# Altium PCB Slave.PcbDoc (part 10 of 11)
Units mm, origin at the board's own origin, x right, y up, seen from the top; angles counter-clockwise.
Board outline 380 x 63 mm, 4 copper layers (Top Copper, Signal Layer 1, Signal Layer 2, Bottom Copper), stack 1.586 mm thick; 256 components, 191 nets, 731 pads, 24161 vias.
Unrouted connection lines stored in the file: 14.
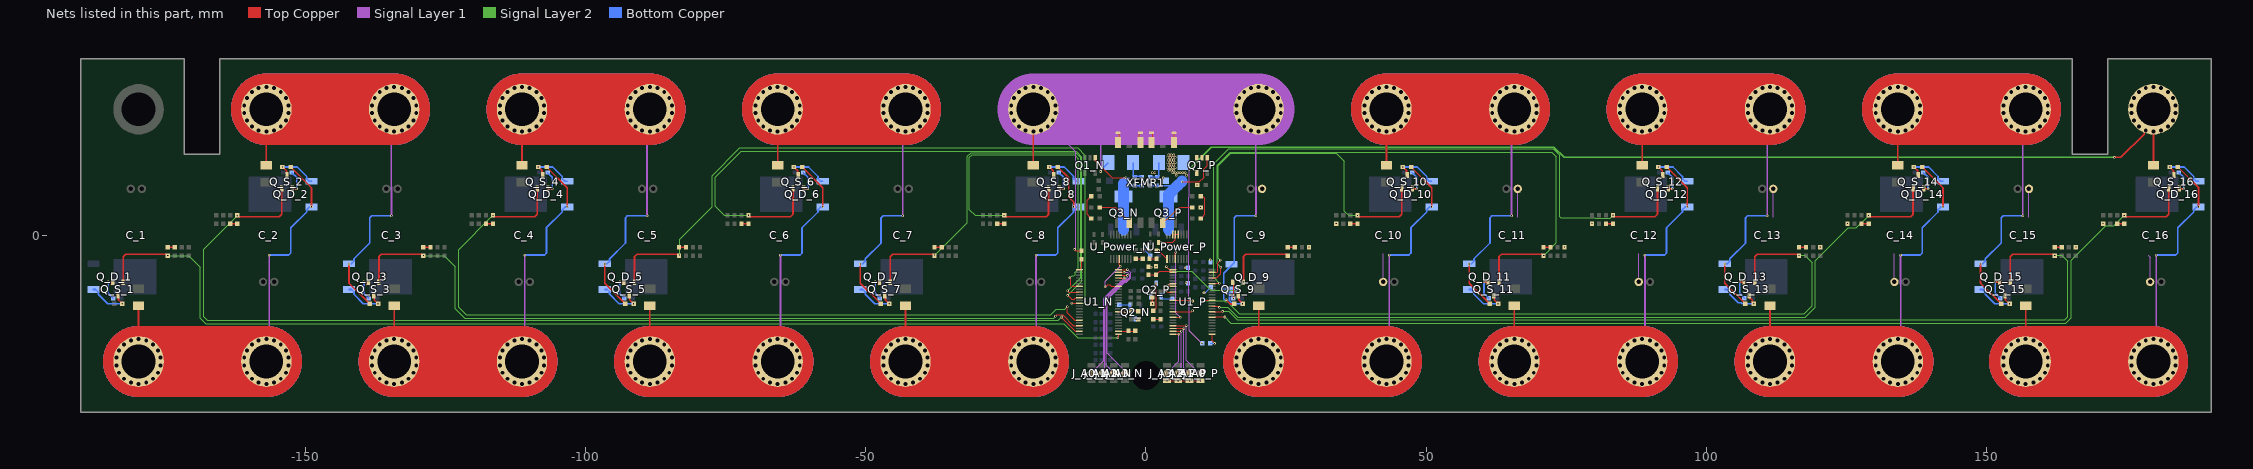
[diagram p12: the nets of this part, all layers, seen from the top]

## Via types
v1: diameter 0.45, hole 0.297, Top Copper to Bottom Copper, tented both sides, 23326 vias
v2: diameter 1, hole 0.7, Top Copper to Bottom Copper, 576 vias
v3: diameter 0.45, hole 0.2, Top Copper to Bottom Copper, 259 vias

## Nets (pads, with @x,y where several pads share a name; then routed paths per layer and width w, separated by ;. In a path a pad name is that pad's centre, name@x,y a point inside that pad or via, vN(x,y) a via of type N, cw(c..) or ccw(c..) an arc to the next point about the centre after c; other vN are vias at no path point) (continued)
NEG1_C2: C1_P.2 C_5V_AO_P.2 C_8.+ C_9.- C_9.T- C_10.T- C_11.T- C_12.T- C_13.T- C_14.T- C_15.T- C_16.T- C_CT_P.2 C_Temp1_P.1 C_Temp2_P.1 C_Temp3_P.1 C_Temp4_P.1 C_V1_P.1 C_V_9.1 C_V_10.1 C_V_11.1 C_V_12.1 C_V_13.1 C_V_14.1 C_V_15.1 C_V_16.1 C_VREF1_P.1 C_VREF2_P.1 C_VREG1_P.1 C_VREG2_P.1 D1_N.K F_V_8.1 J_A0_P.1 J_A1_P.1 J_A2_P.1 J_A3_P.1 Q1_P.2 Q1_P.3 Q1_P.4 Q2_P.2 Q_D_9.3 R3_P.1 R_5V_P.1 R_Input1_P.2 R_Input2_N.2 R_TUNE_9.1 U1_P.30 U1_P.31 U1_P.36 U1_P.40 U_Power_P.1 U_Power_P.12 U_Power_P.13 U_Power_P.14 | length 190.6
  Top Copper w0.102: v3(-12.75,-2.5) -12.5,-2.75 R_Input2_N.2@-11.5,-2.75 ; R_5V_P.1@1.889,-2.693 1.989,-2.792 2.357,-2.792 3.516,-3.952 3.66,-3.952 3.749,-4.041 U_Power_P.1@3.749,-4.184 ; R3_P.1@2.25,-1.25 2.27,-1.23 v3(2.667,-1.23) 4.73,-1.23 4.75,-1.25 5.2,-0.8 5.2,0.135 U_Power_P.13@5.25,0.184 ; v3(3.75,-25.95) v3(5.75,-25.95) v3(7.75,-25.95) v3(9.75,-25.95) ; U_Power_P.14@4.749,0.184 U_Power_P.13@5.25,0.184 ; U1_P.40@4.8,-13.6 8.15,-13.6 v3(8.3,-13.45) ; U1_P.36@4.8,-11.6 8.106,-11.6 8.206,-11.7 v3(8.3,-11.7) ; U1_P.31@4.8,-9.1 4.34,-9.1 4.272,-9.031 4.272,-8.98 4.192,-8.9 v3(3.85,-8.9) 4.13,-8.62 4.78,-8.62 U1_P.30@4.8,-8.6 ; U_Power_P.12@5.75,0.184 U_Power_P.13@5.25,0.184 ; v3(9.1,8.988) 9.138,8.988 C_5V_AO_P.2@9.15,9
  Top Copper w0.254: v3(1.15,-12.2) C_VREF1_P.1@1.15,-11.1
  Top Copper w0.305: F_V_8.1@-20.1,12.8 v2(-20.1,18.5) ; v3(14.275,-11.455) 15.047,-12.228 15.331,-12.228 15.514,-12.411 R_TUNE_9.1@15.725,-12.2
  Signal Layer 1 w0.102: v2@-17.282,19.682 -12.523,14.923 -12.523,-2.273 v3(-12.75,-2.5) ; 19.701,4.728 19.701,9.778 ; C_10.T-@42.3,-8.3 42.3,-3.251 ; 66.3,3.251 C_11.T-@66.3,8.3 ; C_12.T-@87.9,-8.3 87.9,-3.251 ; 111.9,3.251 C_13.T-@111.9,8.3 ; C_14.T-@133.5,-8.3 133.5,-3.251 ; 157.5,3.251 C_15.T-@157.5,8.3 ; 178.772,-3.556 179.1,-3.884 C_16.T-@179.1,-8.3
  Signal Layer 1 w0.254: v3(-8.1,11.4) -8.1,22.4
  Signal Layer 1 w0.305: v3(19.6,3.5) 19.604,3.504 19.604,8.674 19.6,8.678 19.6,18
  Signal Layer 1 w12.7: C_8.+@-20.1,22.5 C_9.-@20.1,22.5
  Bottom Copper w0.102: 0.675,-1.25 0.675,-1.408 0.076,-2.007 0.076,-2.925 0.401,-3.25 0.401,-3.275 0.725,-3.599 C_VREG1_P.1@0.75,-3.599 ; v3(6.985,-5.802) 7.448,-5.802 C_Temp1_P.1@7.5,-5.75 ; v3(7.163,-8.409) 7.254,-8.5 C_Temp2_P.1@7.5,-8.5 ; v3(9.75,5) 9.788,5 v3@9.8,5.012 ; v3(10.347,-10.262) 10.529,-10.262 11.182,-9.608 11.207,-9.608 11.532,-9.284 C_Temp4_P.1@11.532,-9.259
  Bottom Copper w0.254: v3(-8.1,11.4) -8.1,11.61 D1_N.K@-6.71,13
  Bottom Copper w0.305: v3(14.275,-11.455) 13.992,-11.455 13.868,-11.332 13.868,-6.782 15.747,-4.903 15.747,3.146 16.101,3.5 v3(19.6,3.5)
  other v1: 5.424,10.75 7.224,10.75 1.149,11.2 1.599,11.2 4.749,11.2 5.199,11.2 5.649,11.2 6.099,11.2 6.549,11.2 6.999,11.2 4.074,11.65 4.524,11.65 4.974,11.65 3.849,12.1 4.299,12.1 4.749,12.1 5.199,12.1 4.074,12.55 4.524,12.55 4.974,12.55 3.849,13 4.299,13 4.749,13 5.199,13 4.074,13.45 4.524,13.45 4.974,13.45 3.849,13.9 4.299,13.9 4.749,13.9 5.199,13.9 4.074,14.35 4.524,14.35 4.974,14.35
  other v2: 20.1,18.5 -21.468,18.741 -18.732,18.741 18.732,18.741 21.468,18.741 -22.671,19.436 -17.529,19.436 17.529,19.436 22.671,19.436 -23.564,20.5 -16.636,20.5 16.636,20.5 23.564,20.5 -24.039,21.805 -16.161,21.805 16.161,21.805 24.039,21.805 -24.039,23.195 -16.161,23.195 16.161,23.195 24.039,23.195 -23.564,24.5 -16.636,24.5 16.636,24.5 23.564,24.5 -22.671,25.564 -17.529,25.564 17.529,25.564 22.671,25.564 -21.468,26.259 -18.732,26.259 18.732,26.259 21.468,26.259 -20.1,26.5 20.1,26.5
  other v3: 0.9,-9.85 0.9,-5.675 1.81,-5.54 11.481,-4.354 2.261,-2.667 29.075,-2.1 74.675,-2.1 120.275,-2.1 165.875,-2.1 33.925,2.1 79.525,2.1 125.125,2.1 170.725,2.1 3.099,10.253
NEG2_C1: C_1.+ C_2.- F_V_1.1 Q_D_2.3 R_TUNE_2.1 | length 142.8
  Top Copper w0.305: C_1.+@-179.7,-22.5 F_V_1.1@-179.7,-12.675 ; R_TUNE_2.1@-152.525,12.2 -148.85,8.525 v3(-148.85,5.1)
  Top Copper w12.7: C_1.+@-179.7,-22.5 C_2.-@-156.9,-22.5
  Signal Layer 1 w0.102: C_2.-@-156.9,-22.5 C_2.-@-156.425,-22.025
  Signal Layer 1 w0.305: C_2.-@-156.425,-22.025 -156.4,-22 -156.4,-8.678 -156.404,-8.674 -156.404,-3.504 v3(-156.4,-3.5)
  Signal Layer 1 w12.7: C_1.+@-179.7,-22.5 C_2.-@-156.9,-22.5
  Signal Layer 2 w12.7: C_1.+@-179.7,-22.5 C_2.-@-156.9,-22.5
  Bottom Copper w0.305: v3(-156.4,-3.5) -152.902,-3.5 -152.548,-3.146 -152.548,1.352 -149.718,4.182 -149.718,4.602 -149.271,5.05 Q_D_2.3@-148.85,5.05
  Bottom Copper w12.7: C_1.+@-179.7,-22.5 C_2.-@-156.9,-22.5
  other v2: -179.7,-26.5 -156.9,-26.5 -181.068,-26.259 -178.332,-26.259 -158.268,-26.259 -155.532,-26.259 -182.271,-25.564 -177.129,-25.564 -159.471,-25.564 -154.329,-25.564 -183.164,-24.5 -176.236,-24.5 -160.364,-24.5 -153.436,-24.5 -183.639,-23.195 -175.761,-23.195 -160.839,-23.195 -152.961,-23.195 -183.639,-21.805 -175.761,-21.805 -160.839,-21.805 -152.961,-21.805 -183.164,-20.5 -176.236,-20.5 -160.364,-20.5 -153.436,-20.5 -182.271,-19.436 -177.129,-19.436 -159.471,-19.436 -154.329,-19.436 -181.068,-18.741 -178.332,-18.741 -158.268,-18.741 -155.532,-18.741 -179.7,-18.5 -156.9,-18.5
NEG2_C2: C_9.+ C_10.- F_V_9.1 Q_D_10.3 R_TUNE_10.1 | length 145.8
  Top Copper w0.102: C_10.-@41.4,-21 C_10.-@42.9,-22.5
  Top Copper w0.305: C_9.+@18.864,-21.535 18.864,-17.535 18.864,-17.035 ; C_9.+@19.863,-18.512 19.863,-17.306 ; 20.1,-16.794 F_V_9.1@20.1,-12.545 ; R_TUNE_10.1@47.275,12.2 50.95,8.525 v3(50.95,5.1)
  Top Copper w12.7: C_9.+@20.1,-22.5 C_10.-@42.9,-22.5
  Signal Layer 1 w0.102: C_10.-@42.9,-22.5 43.375,-22.025 C_10.-@42.9,-22.5
  Signal Layer 1 w0.305: v3(43.4,-3.5) 43.396,-3.504 43.396,-8.674 43.4,-8.678 43.4,-18 C_10.-@43.4,-22 ; C_10.-@43.4,-22 43.375,-22.025 C_10.-@43.4,-22
  Signal Layer 1 w12.7: C_9.+@20.1,-22.5 C_10.-@42.9,-22.5
  Signal Layer 2 w12.7: C_9.+@20.1,-22.5 C_10.-@42.9,-22.5
  Bottom Copper w0.305: v3(43.4,-3.5) 46.898,-3.5 47.252,-3.146 47.252,1.352 50.082,4.182 50.082,4.602 50.529,5.05 Q_D_10.3@50.95,5.05
  Bottom Copper w12.7: C_9.+@20.1,-22.5 C_10.-@42.9,-22.5
  other v2: 20.1,-26.5 42.9,-26.5 18.732,-26.259 21.468,-26.259 41.532,-26.259 44.268,-26.259 17.529,-25.564 22.671,-25.564 40.329,-25.564 45.471,-25.564 16.636,-24.5 23.564,-24.5 39.436,-24.5 46.364,-24.5 16.161,-23.195 24.039,-23.195 38.961,-23.195 46.839,-23.195 16.161,-21.805 24.039,-21.805 38.961,-21.805 46.839,-21.805 16.636,-20.5 23.564,-20.5 39.436,-20.5 46.364,-20.5 17.529,-19.436 22.671,-19.436 40.329,-19.436 45.471,-19.436 18.732,-18.741 21.468,-18.741 41.532,-18.741 44.268,-18.741 20.1,-18.5 42.9,-18.5
NEG3_C1: C_2.+ C_3.- F_V_2.1 Q_D_3.3 R_TUNE_3.1 | length 145.8
  Top Copper w0.102: C_3.-@-134.1,22.5 C_3.-@-132.6,21
  Top Copper w0.305: F_V_2.1@-156.9,12.545 C_2.+@-156.9,22.5 ; v3(-142.15,-5.1) -142.15,-8.525 R_TUNE_3.1@-138.475,-12.2
  Top Copper w12.7: C_2.+@-156.9,22.5 C_3.-@-134.1,22.5
  Signal Layer 1 w0.102: C_3.-@-134.575,22.025 C_3.-@-134.1,22.5 C_3.-@-133.625,22.975
  Signal Layer 1 w0.305: v3(-134.6,3.5) -134.596,3.504 -134.596,8.674 -134.6,8.678 -134.6,22 C_3.-@-134.575,22.025 ; C_3.-@-133.625,22.975 C_3.-@-133.6,23
  Signal Layer 1 w12.7: C_2.+@-156.9,22.5 C_3.-@-134.1,22.5
  Signal Layer 2 w12.7: C_2.+@-156.9,22.5 C_3.-@-134.1,22.5
  Bottom Copper w0.305: Q_D_3.3@-142.15,-5.05 -141.729,-5.05 -141.282,-4.602 -141.282,-4.182 -138.452,-1.352 -138.452,3.146 -138.098,3.5 v3(-134.6,3.5)
  Bottom Copper w12.7: C_2.+@-156.9,22.5 C_3.-@-134.1,22.5
  other v2: -156.9,18.5 -134.1,18.5 -158.268,18.741 -155.532,18.741 -135.468,18.741 -132.732,18.741 -159.471,19.436 -154.329,19.436 -136.671,19.436 -131.529,19.436 -160.364,20.5 -153.436,20.5 -137.564,20.5 -130.636,20.5 -160.839,21.805 -152.961,21.805 -138.039,21.805 -130.161,21.805 -160.839,23.195 -152.961,23.195 -138.039,23.195 -130.161,23.195 -160.364,24.5 -153.436,24.5 -137.564,24.5 -130.636,24.5 -159.471,25.564 -154.329,25.564 -136.671,25.564 -131.529,25.564 -158.268,26.259 -155.532,26.259 -135.468,26.259 -132.732,26.259 -156.9,26.5 -134.1,26.5
NEG3_C2: C_10.+ C_11.- F_V_10.1 Q_D_11.3 R_TUNE_11.1 | length 143.7
  Top Copper w0.305: F_V_10.1@42.9,12.545 C_10.+@42.9,22.5 ; v3(57.65,-5.1) 57.65,-8.525 R_TUNE_11.1@61.325,-12.2
  Top Copper w12.7: C_10.+@42.9,22.5 C_11.-@65.7,22.5
  Signal Layer 1 w0.102: C_11.-@65.225,22.025 C_11.-@65.7,22.5 C_11.-@66.175,22.975
  Signal Layer 1 w0.305: v3(65.2,3.5) 65.204,3.504 65.204,8.674 65.2,8.678 65.2,22 C_11.-@65.225,22.025 ; C_11.-@66.175,22.975 C_11.-@66.2,23
  Signal Layer 1 w12.7: C_10.+@42.9,22.5 C_11.-@65.7,22.5
  Signal Layer 2 w12.7: C_10.+@42.9,22.5 C_11.-@65.7,22.5
  Bottom Copper w0.305: Q_D_11.3@57.65,-5.05 58.071,-5.05 58.518,-4.602 58.518,-4.182 61.348,-1.352 61.348,3.146 61.702,3.5 v3(65.2,3.5)
  Bottom Copper w12.7: C_10.+@42.9,22.5 C_11.-@65.7,22.5
  other v2: 42.9,18.5 65.7,18.5 41.532,18.741 44.268,18.741 64.332,18.741 67.068,18.741 40.329,19.436 45.471,19.436 63.129,19.436 68.271,19.436 39.436,20.5 46.364,20.5 62.236,20.5 69.164,20.5 38.961,21.805 46.839,21.805 61.761,21.805 69.639,21.805 38.961,23.195 46.839,23.195 61.761,23.195 69.639,23.195 39.436,24.5 46.364,24.5 62.236,24.5 69.164,24.5 40.329,25.564 45.471,25.564 63.129,25.564 68.271,25.564 41.532,26.259 44.268,26.259 64.332,26.259 67.068,26.259 42.9,26.5 65.7,26.5
NEG4_C1: C_3.+ C_4.- F_V_3.1 Q_D_4.3 R_TUNE_4.1 | length 143.7
  Top Copper w0.305: C_3.+@-134.1,-22.5 F_V_3.1@-134.1,-12.545 ; R_TUNE_4.1@-106.925,12.2 -103.25,8.525 v3(-103.25,5.1)
  Top Copper w12.7: C_3.+@-134.1,-22.5 C_4.-@-111.3,-22.5
  Signal Layer 1 w0.102: C_4.-@-111.3,-22.5 -110.825,-22.025 C_4.-@-111.3,-22.5
  Signal Layer 1 w0.305: v3(-110.8,-3.5) -110.804,-3.504 -110.804,-8.674 -110.8,-8.678 C_4.-@-110.8,-22 ; C_4.-@-110.8,-22 -110.825,-22.025 C_4.-@-110.8,-22
  Signal Layer 1 w12.7: C_3.+@-134.1,-22.5 C_4.-@-111.3,-22.5
  Signal Layer 2 w12.7: C_3.+@-134.1,-22.5 C_4.-@-111.3,-22.5
  Bottom Copper w0.305: v3(-110.8,-3.5) -107.302,-3.5 -106.948,-3.146 -106.948,1.352 -104.118,4.182 -104.118,4.602 -103.671,5.05 Q_D_4.3@-103.25,5.05
  Bottom Copper w12.7: C_3.+@-134.1,-22.5 C_4.-@-111.3,-22.5
  other v2: -134.1,-26.5 -111.3,-26.5 -135.468,-26.259 -132.732,-26.259 -112.668,-26.259 -109.932,-26.259 -136.671,-25.564 -131.529,-25.564 -113.871,-25.564 -108.729,-25.564 -137.564,-24.5 -130.636,-24.5 -114.764,-24.5 -107.836,-24.5 -138.039,-23.195 -130.161,-23.195 -115.239,-23.195 -107.361,-23.195 -138.039,-21.805 -130.161,-21.805 -115.239,-21.805 -107.361,-21.805 -137.564,-20.5 -130.636,-20.5 -114.764,-20.5 -107.836,-20.5 -136.671,-19.436 -131.529,-19.436 -113.871,-19.436 -108.729,-19.436 -135.468,-18.741 -132.732,-18.741 -112.668,-18.741 -109.932,-18.741 -134.1,-18.5 -111.3,-18.5
NEG4_C2: C_11.+ C_12.- F_V_11.1 Q_D_12.3 R_TUNE_12.1 | length 145.8
  Top Copper w0.102: C_12.-@87,-21 C_12.-@88.5,-22.5
  Top Copper w0.305: C_11.+@65.7,-22.5 F_V_11.1@65.7,-12.545 ; R_TUNE_12.1@92.875,12.2 96.55,8.525 v3(96.55,5.1)
  Top Copper w12.7: C_11.+@65.7,-22.5 C_12.-@88.5,-22.5
  Signal Layer 1 w0.102: C_12.-@88.5,-22.5 88.975,-22.025 C_12.-@88.5,-22.5
  Signal Layer 1 w0.305: v3(89,-3.5) 88.996,-3.504 88.996,-8.674 89,-8.678 C_12.-@89,-22 ; C_12.-@89,-22 88.975,-22.025 C_12.-@89,-22
  Signal Layer 1 w12.7: C_11.+@65.7,-22.5 C_12.-@88.5,-22.5
  Signal Layer 2 w12.7: C_11.+@65.7,-22.5 C_12.-@88.5,-22.5
  Bottom Copper w0.305: v3(89,-3.5) 92.498,-3.5 92.852,-3.146 92.852,1.352 95.682,4.182 95.682,4.602 96.129,5.05 Q_D_12.3@96.55,5.05
  Bottom Copper w12.7: C_11.+@65.7,-22.5 C_12.-@88.5,-22.5
  other v2: 65.7,-26.5 88.5,-26.5 64.332,-26.259 67.068,-26.259 87.132,-26.259 89.868,-26.259 63.129,-25.564 68.271,-25.564 85.929,-25.564 91.071,-25.564 62.236,-24.5 69.164,-24.5 85.036,-24.5 91.964,-24.5 61.761,-23.195 69.639,-23.195 84.561,-23.195 92.439,-23.195 61.761,-21.805 69.639,-21.805 84.561,-21.805 92.439,-21.805 62.236,-20.5 69.164,-20.5 85.036,-20.5 91.964,-20.5 63.129,-19.436 68.271,-19.436 85.929,-19.436 91.071,-19.436 64.332,-18.741 67.068,-18.741 87.132,-18.741 89.868,-18.741 65.7,-18.5 88.5,-18.5
NEG5_C1: C_4.+ C_5.- F_V_4.1 Q_D_5.3 R_TUNE_5.1 | length 145.8
  Top Copper w0.102: C_5.-@-88.5,22.5 C_5.-@-87,21
  Top Copper w0.305: F_V_4.1@-111.3,12.545 C_4.+@-111.3,22.5 ; v3(-96.55,-5.1) -96.55,-8.525 R_TUNE_5.1@-92.875,-12.2
  Top Copper w12.7: C_4.+@-111.3,22.5 C_5.-@-88.5,22.5
  Signal Layer 1 w0.102: C_5.-@-88.975,22.025 C_5.-@-88.5,22.5 C_5.-@-88.025,22.975
  Signal Layer 1 w0.305: v3(-89,3.5) -88.996,3.504 -88.996,8.674 -89,8.678 -89,22 C_5.-@-88.975,22.025 ; C_5.-@-88.025,22.975 C_5.-@-88,23
  Signal Layer 1 w12.7: C_4.+@-111.3,22.5 C_5.-@-88.5,22.5
  Signal Layer 2 w12.7: C_4.+@-111.3,22.5 C_5.-@-88.5,22.5
  Bottom Copper w0.305: Q_D_5.3@-96.55,-5.05 -96.129,-5.05 -95.682,-4.602 -95.682,-4.182 -92.852,-1.352 -92.852,3.146 -92.498,3.5 v3(-89,3.5)
  Bottom Copper w12.7: C_4.+@-111.3,22.5 C_5.-@-88.5,22.5
  other v2: -111.3,18.5 -88.5,18.5 -112.668,18.741 -109.932,18.741 -89.868,18.741 -87.132,18.741 -113.871,19.436 -108.729,19.436 -91.071,19.436 -85.929,19.436 -114.764,20.5 -107.836,20.5 -91.964,20.5 -85.036,20.5 -115.239,21.805 -107.361,21.805 -92.439,21.805 -84.561,21.805 -115.239,23.195 -107.361,23.195 -92.439,23.195 -84.561,23.195 -114.764,24.5 -107.836,24.5 -91.964,24.5 -85.036,24.5 -113.871,25.564 -108.729,25.564 -91.071,25.564 -85.929,25.564 -112.668,26.259 -109.932,26.259 -89.868,26.259 -87.132,26.259 -111.3,26.5 -88.5,26.5
NEG5_C2: C_12.+ C_13.- F_V_12.1 Q_D_13.3 R_TUNE_13.1 | length 143.7
  Top Copper w0.305: F_V_12.1@88.5,12.545 C_12.+@88.5,22.5 ; v3(103.25,-5.1) 103.25,-8.525 R_TUNE_13.1@106.925,-12.2
  Top Copper w12.7: C_12.+@88.5,22.5 C_13.-@111.3,22.5
  Signal Layer 1 w0.102: C_13.-@110.825,22.025 C_13.-@111.3,22.5 C_13.-@111.775,22.975
  Signal Layer 1 w0.305: v3(110.8,3.5) 110.804,3.504 110.804,8.674 110.8,8.678 110.8,22 C_13.-@110.825,22.025 ; C_13.-@111.775,22.975 C_13.-@111.8,23
  Signal Layer 1 w12.7: C_12.+@88.5,22.5 C_13.-@111.3,22.5
  Signal Layer 2 w12.7: C_12.+@88.5,22.5 C_13.-@111.3,22.5
  Bottom Copper w0.305: Q_D_13.3@103.25,-5.05 103.671,-5.05 104.118,-4.602 104.118,-4.182 106.948,-1.352 106.948,3.146 107.302,3.5 v3(110.8,3.5)
  Bottom Copper w12.7: C_12.+@88.5,22.5 C_13.-@111.3,22.5
  other v2: 88.5,18.5 111.3,18.5 87.132,18.741 89.868,18.741 109.932,18.741 112.668,18.741 85.929,19.436 91.071,19.436 108.729,19.436 113.871,19.436 85.036,20.5 91.964,20.5 107.836,20.5 114.764,20.5 84.561,21.805 92.439,21.805 107.361,21.805 115.239,21.805 84.561,23.195 92.439,23.195 107.361,23.195 115.239,23.195 85.036,24.5 91.964,24.5 107.836,24.5 114.764,24.5 85.929,25.564 91.071,25.564 108.729,25.564 113.871,25.564 87.132,26.259 89.868,26.259 109.932,26.259 112.668,26.259 88.5,26.5 111.3,26.5
NEG6_C1: C_5.+ C_6.- F_V_5.1 Q_D_6.3 R_TUNE_6.1 | length 143.7
  Top Copper w0.305: C_5.+@-88.5,-22.5 F_V_5.1@-88.5,-12.545 ; R_TUNE_6.1@-61.325,12.2 -57.65,8.525 v3(-57.65,5.1)
  Top Copper w12.7: C_5.+@-88.5,-22.5 C_6.-@-65.7,-22.5
  Signal Layer 1 w0.102: C_6.-@-65.7,-22.5 -65.225,-22.025 C_6.-@-65.7,-22.5
  Signal Layer 1 w0.305: v3(-65.2,-3.5) -65.204,-3.504 -65.204,-8.674 -65.2,-8.678 C_6.-@-65.2,-22 ; C_6.-@-65.2,-22 -65.225,-22.025 C_6.-@-65.2,-22
  Signal Layer 1 w12.7: C_5.+@-88.5,-22.5 C_6.-@-65.7,-22.5
  Signal Layer 2 w12.7: C_5.+@-88.5,-22.5 C_6.-@-65.7,-22.5
  Bottom Copper w0.305: v3(-65.2,-3.5) -61.702,-3.5 -61.348,-3.146 -61.348,1.352 -58.518,4.182 -58.518,4.602 -58.071,5.05 Q_D_6.3@-57.65,5.05
  Bottom Copper w12.7: C_5.+@-88.5,-22.5 C_6.-@-65.7,-22.5
  other v2: -88.5,-26.5 -65.7,-26.5 -89.868,-26.259 -87.132,-26.259 -67.068,-26.259 -64.332,-26.259 -91.071,-25.564 -85.929,-25.564 -68.271,-25.564 -63.129,-25.564 -91.964,-24.5 -85.036,-24.5 -69.164,-24.5 -62.236,-24.5 -92.439,-23.195 -84.561,-23.195 -69.639,-23.195 -61.761,-23.195 -92.439,-21.805 -84.561,-21.805 -69.639,-21.805 -61.761,-21.805 -91.964,-20.5 -85.036,-20.5 -69.164,-20.5 -62.236,-20.5 -91.071,-19.436 -85.929,-19.436 -68.271,-19.436 -63.129,-19.436 -89.868,-18.741 -87.132,-18.741 -67.068,-18.741 -64.332,-18.741 -88.5,-18.5 -65.7,-18.5
NEG6_C2: C_13.+ C_14.- F_V_13.1 Q_D_14.3 R_TUNE_14.1 | length 145.6
  Top Copper w0.102: C_14.-@132.6,-21 C_14.-@134.1,-22.5
  Top Copper w0.305: C_13.+@111.3,-22.5 F_V_13.1@111.3,-12.775 ; R_TUNE_14.1@138.475,12.2 142.15,8.525 v3(142.15,5.1)
  Top Copper w12.7: C_13.+@111.3,-22.5 C_14.-@134.1,-22.5
  Signal Layer 1 w0.102: C_14.-@134.1,-22.5 134.575,-22.025 C_14.-@134.1,-22.5
  Signal Layer 1 w0.305: v3(134.6,-3.5) 134.596,-3.504 134.596,-8.674 134.6,-8.678 C_14.-@134.6,-22 ; C_14.-@134.6,-22 134.575,-22.025 C_14.-@134.6,-22
  Signal Layer 1 w12.7: C_13.+@111.3,-22.5 C_14.-@134.1,-22.5
  Signal Layer 2 w12.7: C_13.+@111.3,-22.5 C_14.-@134.1,-22.5
  Bottom Copper w0.305: v3(134.6,-3.5) 138.098,-3.5 138.452,-3.146 138.452,1.352 141.282,4.182 141.282,4.602 141.729,5.05 Q_D_14.3@142.15,5.05
  Bottom Copper w12.7: C_13.+@111.3,-22.5 C_14.-@134.1,-22.5
  other v2: 111.3,-26.5 134.1,-26.5 109.932,-26.259 112.668,-26.259 132.732,-26.259 135.468,-26.259 108.729,-25.564 113.871,-25.564 131.529,-25.564 136.671,-25.564 107.836,-24.5 114.764,-24.5 130.636,-24.5 137.564,-24.5 107.361,-23.195 115.239,-23.195 130.161,-23.195 138.039,-23.195 107.361,-21.805 115.239,-21.805 130.161,-21.805 138.039,-21.805 107.836,-20.5 114.764,-20.5 130.636,-20.5 137.564,-20.5 108.729,-19.436 113.871,-19.436 131.529,-19.436 136.671,-19.436 109.932,-18.741 112.668,-18.741 132.732,-18.741 135.468,-18.741 111.3,-18.5 134.1,-18.5
NEG7_C1: C_6.+ C_7.- F_V_6.1 Q_D_7.3 R_TUNE_7.1 | length 145.8
  Top Copper w0.102: C_7.-@-42.9,22.5 C_7.-@-41.4,21
  Top Copper w0.305: F_V_6.1@-65.7,12.545 C_6.+@-65.7,22.5 ; v3(-50.95,-5.1) -50.95,-8.525 R_TUNE_7.1@-47.275,-12.2
  Top Copper w12.7: C_6.+@-65.7,22.5 C_7.-@-42.9,22.5
  Signal Layer 1 w0.102: C_7.-@-43.375,22.025 C_7.-@-42.9,22.5 C_7.-@-42.425,22.975
  Signal Layer 1 w0.305: v3(-43.4,3.5) -43.396,3.504 -43.396,8.674 -43.4,8.678 -43.4,22 C_7.-@-43.375,22.025 ; C_7.-@-42.425,22.975 C_7.-@-42.4,23
  Signal Layer 1 w12.7: C_6.+@-65.7,22.5 C_7.-@-42.9,22.5
  Signal Layer 2 w12.7: C_6.+@-65.7,22.5 C_7.-@-42.9,22.5
  Bottom Copper w0.305: Q_D_7.3@-50.95,-5.05 -50.529,-5.05 -50.082,-4.602 -50.082,-4.182 -47.252,-1.352 -47.252,3.146 -46.898,3.5 v3(-43.4,3.5)
  Bottom Copper w12.7: C_6.+@-65.7,22.5 C_7.-@-42.9,22.5
  other v2: -65.7,18.5 -42.9,18.5 -67.068,18.741 -64.332,18.741 -44.268,18.741 -41.532,18.741 -68.271,19.436 -63.129,19.436 -45.471,19.436 -40.329,19.436 -69.164,20.5 -62.236,20.5 -46.364,20.5 -39.436,20.5 -69.639,21.805 -61.761,21.805 -46.839,21.805 -38.961,21.805 -69.639,23.195 -61.761,23.195 -46.839,23.195 -38.961,23.195 -69.164,24.5 -62.236,24.5 -46.364,24.5 -39.436,24.5 -68.271,25.564 -63.129,25.564 -45.471,25.564 -40.329,25.564 -67.068,26.259 -64.332,26.259 -44.268,26.259 -41.532,26.259 -65.7,26.5 -42.9,26.5
NEG7_C2: C_14.+ C_15.- F_V_14.1 Q_D_15.3 R_TUNE_15.1 | length 143.7
  Top Copper w0.305: F_V_14.1@134.1,12.545 C_14.+@134.1,22.5 ; v3(148.85,-5.1) 148.85,-8.525 R_TUNE_15.1@152.525,-12.2
  Top Copper w12.7: C_14.+@134.1,22.5 C_15.-@156.9,22.5
  Signal Layer 1 w0.102: C_15.-@156.425,22.025 C_15.-@156.9,22.5 C_15.-@157.375,22.975
  Signal Layer 1 w0.305: v3(156.4,3.5) 156.404,3.504 156.404,8.674 156.4,8.678 156.4,22 C_15.-@156.425,22.025 ; C_15.-@157.375,22.975 C_15.-@157.4,23
  Signal Layer 1 w12.7: C_14.+@134.1,22.5 C_15.-@156.9,22.5
  Signal Layer 2 w12.7: C_14.+@134.1,22.5 C_15.-@156.9,22.5
  Bottom Copper w0.305: Q_D_15.3@148.85,-5.05 149.271,-5.05 149.718,-4.602 149.718,-4.182 152.548,-1.352 152.548,3.146 152.902,3.5 v3(156.4,3.5)
  Bottom Copper w12.7: C_14.+@134.1,22.5 C_15.-@156.9,22.5
  other v2: 134.1,18.5 156.9,18.5 132.732,18.741 135.468,18.741 155.532,18.741 158.268,18.741 131.529,19.436 136.671,19.436 154.329,19.436 159.471,19.436 130.636,20.5 137.564,20.5 153.436,20.5 160.364,20.5 130.161,21.805 138.039,21.805 152.961,21.805 160.839,21.805 130.161,23.195 138.039,23.195 152.961,23.195 160.839,23.195 130.636,24.5 137.564,24.5 153.436,24.5 160.364,24.5 131.529,25.564 136.671,25.564 154.329,25.564 159.471,25.564 132.732,26.259 135.468,26.259 155.532,26.259 158.268,26.259 134.1,26.5 156.9,26.5
NEG8_C1: C_7.+ C_8.- F_V_7.1 Q_D_8.3 R_TUNE_8.1 | length 143.3
  Top Copper w0.305: C_7.+@-42.9,-22.5 F_V_7.1@-42.9,-12.545 ; R_TUNE_8.1@-15.725,12.2 -13.8,10.275 -13.8,6.85 -12.9,5.95 v3(-12.9,5.1)
  Top Copper w12.7: C_7.+@-42.9,-22.5 C_8.-@-20.1,-22.5
  Signal Layer 1 w0.102: C_8.-@-20.1,-22.5 -19.625,-22.025 C_8.-@-20.1,-22.5
  Signal Layer 1 w0.305: v3(-19.6,-3.5) -19.604,-3.504 -19.604,-8.674 -19.6,-8.678 C_8.-@-19.6,-22 ; C_8.-@-19.6,-22 -19.625,-22.025 C_8.-@-19.6,-22
  Signal Layer 1 w12.7: C_7.+@-42.9,-22.5 C_8.-@-20.1,-22.5
  Signal Layer 2 w12.7: C_7.+@-42.9,-22.5 C_8.-@-20.1,-22.5
  Bottom Copper w0.305: v3(-19.6,-3.5) -16.102,-3.5 -15.748,-3.146 -15.748,1.352 -12.918,4.182 -12.918,4.602 -12.471,5.05 Q_D_8.3@-12.05,5.05
  Bottom Copper w12.7: C_7.+@-42.9,-22.5 C_8.-@-20.1,-22.5
  other v2: -42.9,-26.5 -20.1,-26.5 -44.268,-26.259 -41.532,-26.259 -21.468,-26.259 -18.732,-26.259 -45.471,-25.564 -40.329,-25.564 -22.671,-25.564 -17.529,-25.564 -46.364,-24.5 -39.436,-24.5 -23.564,-24.5 -16.636,-24.5 -46.839,-23.195 -38.961,-23.195 -24.039,-23.195 -16.161,-23.195 -46.839,-21.805 -38.961,-21.805 -24.039,-21.805 -16.161,-21.805 -46.364,-20.5 -39.436,-20.5 -23.564,-20.5 -16.636,-20.5 -45.471,-19.436 -40.329,-19.436 -22.671,-19.436 -17.529,-19.436 -44.268,-18.741 -41.532,-18.741 -21.468,-18.741 -18.732,-18.741 -42.9,-18.5 -20.1,-18.5
NEG8_C2: C_15.+ C_16.- F_V_15.1 Q_D_16.3 R_TUNE_16.1 | length 146
  Top Copper w0.102: C_16.-@178.2,-21 C_16.-@179.7,-22.5
  Top Copper w0.305: C_15.+@156.9,-22.5 F_V_15.1@156.9,-12.545 F_V_15.1@156.9,-12.35 ; R_TUNE_16.1@184.075,12.2 187.75,8.525 v3(187.75,5.1)
  Top Copper w12.7: C_15.+@156.749,-22.5 C_16.-@179.549,-22.5
  Signal Layer 1 w0.102: C_16.-@179.549,-22.5 C_16.-@180.024,-22.025 ; C_16.-@179.7,-22.5 C_16.-@180.175,-22.025
  Signal Layer 1 w0.305: C_16.-@180.024,-22.025 C_16.-@180.049,-22 ; C_16.-@180.175,-22.025 180.2,-22 180.2,-8.678 180.196,-8.674 180.196,-3.504 v3(180.2,-3.5)
  Signal Layer 1 w12.7: C_15.+@156.749,-22.5 C_16.-@179.549,-22.5
  Signal Layer 2 w12.7: C_15.+@156.749,-22.5 C_16.-@179.549,-22.5
  Bottom Copper w0.305: v3(180.2,-3.5) 183.698,-3.5 184.052,-3.146 184.052,1.352 186.882,4.182 186.882,4.602 187.329,5.05 Q_D_16.3@187.75,5.05
  Bottom Copper w12.7: C_15.+@156.749,-22.5 C_16.-@179.549,-22.5
  other v2: 156.9,-26.5 179.7,-26.5 155.532,-26.259 158.268,-26.259 178.332,-26.259 181.068,-26.259 154.329,-25.564 159.471,-25.564 177.129,-25.564 182.271,-25.564 153.436,-24.5 160.364,-24.5 176.236,-24.5 183.164,-24.5 152.961,-23.195 160.839,-23.195 175.761,-23.195 183.639,-23.195 152.961,-21.805 160.839,-21.805 175.761,-21.805 183.639,-21.805 153.436,-20.5 160.364,-20.5 176.236,-20.5 183.164,-20.5 154.329,-19.436 159.471,-19.436 177.129,-19.436 182.271,-19.436 155.532,-18.741 158.268,-18.741 178.332,-18.741 181.068,-18.741 156.9,-18.5 179.7,-18.5